# Altium PCB InsaneKeyboard.PcbDoc (part 2 of 4) (continued)
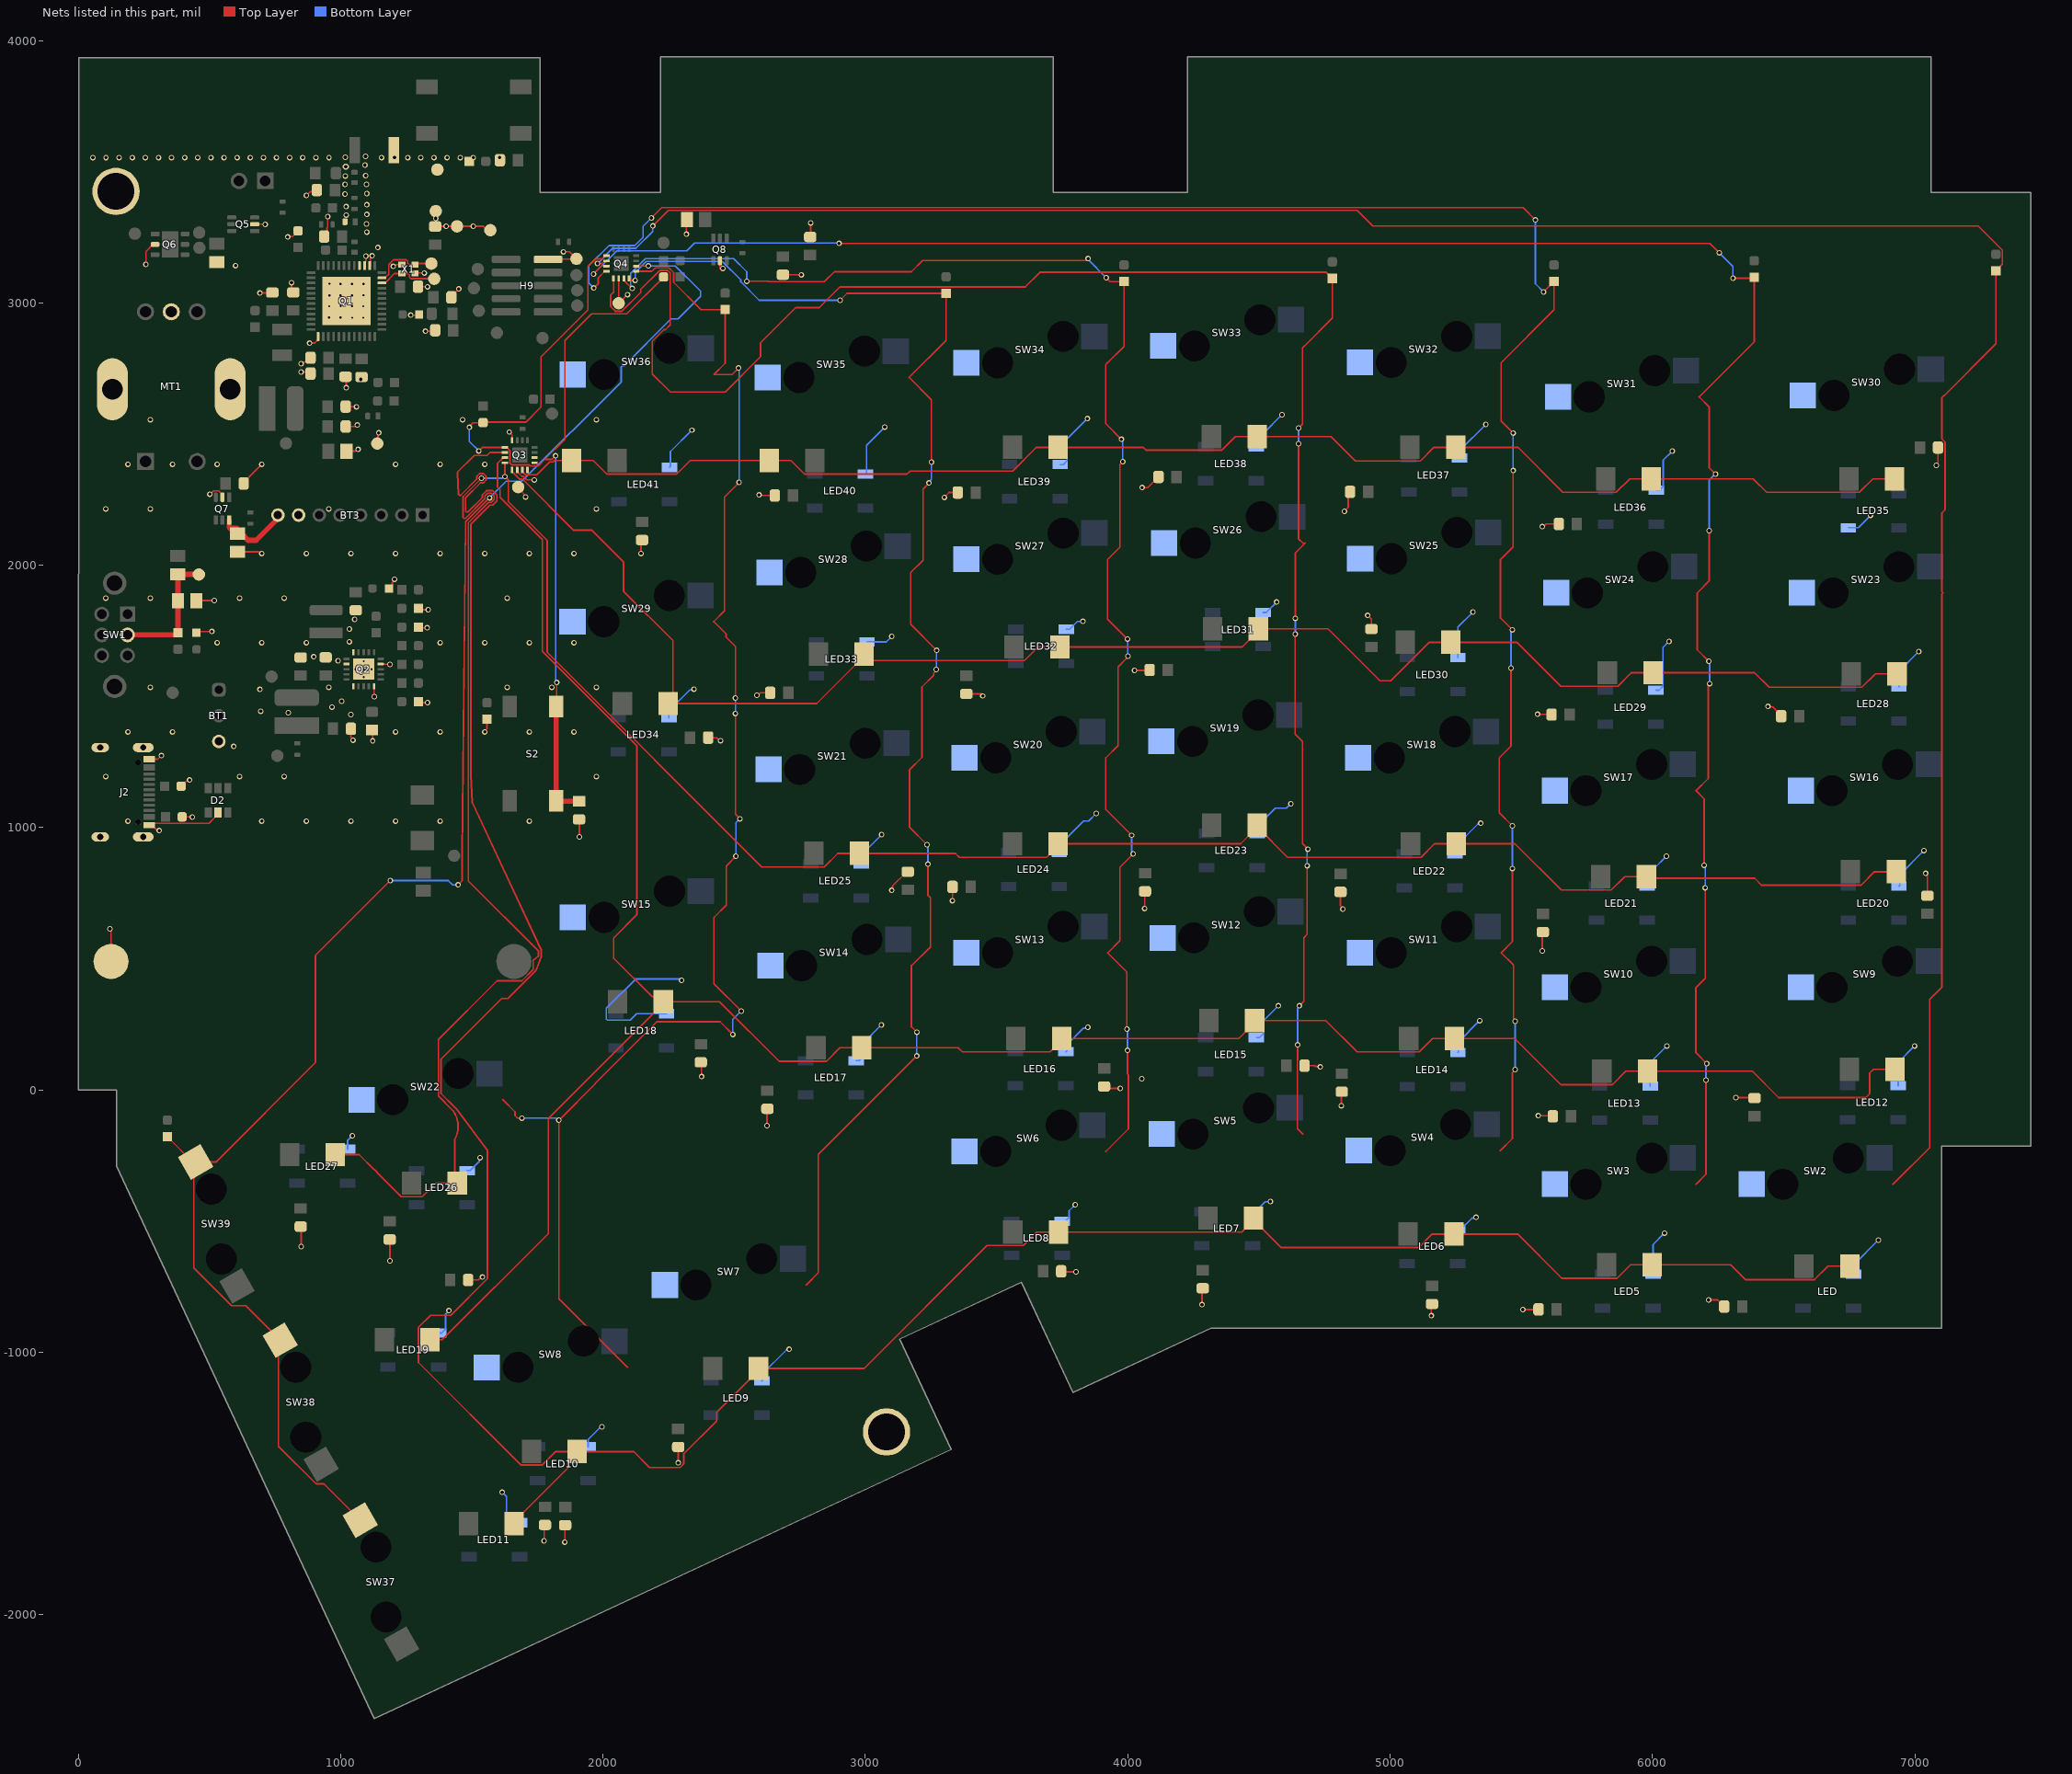
[diagram p4: the nets of this part, all layers, seen from the top]
## Part data (continued)
S1 S2: "Keypad Switch, 1 Switches, SPST, Momentary-tactile, 0.05A, 50VDC, 2.55N, Solder Terminal, Surface Mount-straight", Contact Current(DC)-Max=50mA, Contact DC Max Rating R Load=.05A@50VDC, Contact Voltage(DC)-Max=50V, Manufacturer=E-Switch, Manufacturer Part Number=TL3301NF260QG, Operating Force-Max=3.04N, Supplier Part Number=EG1868CT-ND, Body Breadth=6inch, Body Height=3.6mm, Body Length or Diameter=6mm, Category="Tactile Switches", Circuit Configuration=1X1, ComponentLink1Description=https://datasheet.ciiva.com:443/pdfs/VipMasterIC/IC/ESCH/ESCH-S-A0005350531/ESCH-S-A0005350531-1.pdf?src-supplier=IHS+Markit, ComponentLink1URL=https://datasheet.ciiva.com:443/pdfs/VipMasterIC/IC/ESCH/ESCH-S-A0005350531/ESCH-S-A0005350531-1.pdf?src-supplier=IHS+Markit, ComponentLink2Description=https://datasheet.ciiva.com/2901/p010517e-2901296.pdf?src-supplier=Digikey, ComponentLink2URL=https://datasheet.ciiva.com/2901/p010517e-2901296.pdf?src-supplier=Digikey, ComponentLink3Description=https://datasheet.ciiva.com/2901/tl3301-2901294.pdf?src-supplier=Digikey, ComponentLink3URL=https://datasheet.ciiva.com/2901/tl3301-2901294.pdf?src-supplier=Digikey, ComponentLink4Description=https://datasheet.ciiva.com/2901/tl3301-2901295.pdf?src-supplier=Digikey, ComponentLink4URL=https://datasheet.ciiva.com/2901/tl3301-2901295.pdf?src-supplier=Digikey, ComponentLink5Description=https://datasheet.ciiva.com/7637/tl3301-7637661.pdf?src-supplier=Element14, ComponentLink5URL=https://datasheet.ciiva.com/7637/tl3301-7637661.pdf?src-supplier=Element14, JESD-609 Code=e4, Mounting Technology="Surface Mount", Number of Switches=1, Packaging="Tape and Reel", Pricing="1=0.42, 10=0.404, 25=0.3804, 100=0.3303, 250=0.29968, 500=0.27876 (USD)", Reach SVHC Compliant=Yes, RoHS=Yes, RoHS Compliant=Yes, Stock=45667, Supplier=Digikey, Switch Action=MOMENTARY-TACTILE, Switch Function=SPST, Switch Type=Keypad, Terminal Finish=Silver, Termination=Solder
SW1: "Slide Switch, DPDT, Latched, Solder Terminal, Through Hole-right Angle", Manufacturer=E-Switch, Manufacturer Part Number=EG2208, Max Operating Temperature=70°C, Min Operating Temperature=-20°C, Supplier Part Number=EG1941-ND, Body Breadth=6inch, Body Height=5mm, Body Length or Diameter=10mm, Category="Slide Switches", ComponentLink1Description=https://datasheet.ciiva.com:443/pdfs/VipMasterIC/IC/ESCH/ESCH-S-A0005350660/ESCH-S-A0005350660-1.pdf?src-supplier=IHS+Markit, ComponentLink1URL=https://datasheet.ciiva.com:443/pdfs/VipMasterIC/IC/ESCH/ESCH-S-A0005350660/ESCH-S-A0005350660-1.pdf?src-supplier=IHS+Markit, ComponentLink2Description=https://datasheet.ciiva.com/2889/p040110c-2889382.pdf?src-supplier=Digikey, ComponentLink2URL=https://datasheet.ciiva.com/2889/p040110c-2889382.pdf?src-supplier=Digikey, ComponentLink3Description=https://datasheet.ciiva.com/16174/seriesegslides-16174287.pdf?src-supplier=Onlinecomponents.com, ComponentLink3URL=https://datasheet.ciiva.com/16174/seriesegslides-16174287.pdf?src-supplier=Onlinecomponents.com, ComponentLink4Description=https://datasheet.ciiva.com/16216/eg-16216332.pdf?src-supplier=Future+Electronics, ComponentLink4URL=https://datasheet.ciiva.com/16216/eg-16216332.pdf?src-supplier=Future+Electronics, JESD-609 Code=e4, Mounting Technology="Through Hole", Pricing="1=0.66, 10=0.639, 25=0.5968, 100=0.5183, 250=0.47168, 800=0.43728, 1600=0.4325 (USD)", Reach SVHC Compliant=Yes, RoHS=Yes, RoHS Compliant=Yes, Stock=171516, Supplier=Digikey, Switch Action=LATCHED, Switch Function=DPDT, Switch Type="Slide Switch", Terminal Finish=Silver, Termination=Solder
SW2 SW3 SW4 SW5 SW6 SW7 SW8 SW9 SW10 SW11 SW12 SW13 SW14 SW15 SW16 SW17 SW18 SW19 SW20 SW21 SW22 SW23 SW24 SW25 SW26 SW27 SW28 SW29 SW30 SW31 SW32 SW33 SW34 SW35 SW36 SW37 SW38 SW39: "Gateron G Pro 2.0, The 3-Pin switches are compatible with any 3-Pin/5-Pin MX mechanical keyboard"
TP15: "Test points"
X1: "Crystal 38.4000MHZ 10PF SMD", Manufacturer=Murata, Manufacturer Part Number=XRCGB38M400F1S3JR0, Supplier Part Number=490-XRCGB38M400F1S3JR0TR-ND, Category=LDO, ComponentLink1Description=https://datasheet.octopart.com/TZ2205E-TST---Tamsan-datasheet-98782093.pdf?src-supplier=Component+Distributors+Inc., ComponentLink1URL=https://datasheet.octopart.com/TZ2205E-TST---Tamsan-datasheet-98782093.pdf?src-supplier=Component+Distributors+Inc., ComponentLink2Description=http://www.txccorp.com/download/products/quartz_crystals/2015TXC_8Y_15.pdf?src-supplier=Digikey, ComponentLink2URL=http://www.txccorp.com/download/products/quartz_crystals/2015TXC_8Y_15.pdf?src-supplier=Digikey, Pricing="1=1.13, 10=1.004, 50=0.938, 100=0.829, 500=0.78538, 1000=0.65448 (USD)", RoHS=No, Stock=604, Supplier=Digikey
X2: library part "XTAL 32.768kHz", "Parallel - Fundamental Quartz Crystal, 0.032768MHz Nom", Frequency Tolerance=20ppm, Load Capacitance=12.5pF, Manufacturer=Abracon, Manufacturer Part Number=ABS07-32.768KHZ-T, Max Operating Temperature=85°C, Min Operating Temperature=-40°C, Operating Frequency-Nom=0.032768, Supplier Part Number=815-ABS07-32.768KHZT, Additional Feature="TAPE AND REEL", Aging="3 PPM/FIRST YEAR", Category=Crystals, ComponentLink1Description=https://datasheet.ciiva.com:443/pdfs/VipMasterIC/IC/ABRC/ABRC-S-A0006623177/ABRC-S-A0006623177-1.pdf?src-supplier=IHS+Markit, ComponentLink1URL=https://datasheet.ciiva.com:443/pdfs/VipMasterIC/IC/ABRC/ABRC-S-A0006623177/ABRC-S-A0006623177-1.pdf?src-supplier=IHS+Markit, ComponentLink2Description=https://datasheet.ciiva.com/854/abs07-854935.pdf?src-supplier=Digikey, ComponentLink2URL=https://datasheet.ciiva.com/854/abs07-854935.pdf?src-supplier=Digikey, ComponentLink3Description=https://datasheet.ciiva.com/854/abs07-854936.pdf?src-supplier=Digikey, ComponentLink3URL=https://datasheet.ciiva.com/854/abs07-854936.pdf?src-supplier=Digikey, ComponentLink4Description=https://datasheet.ciiva.com/854/abs07-854937.pdf?src-supplier=Digikey, ComponentLink4URL=https://datasheet.ciiva.com/854/abs07-854937.pdf?src-supplier=Digikey, ComponentLink5Description=https://datasheet.ciiva.com/15214/getdatasheetpartid-727011-15214954.pdf?src-supplier=Verical, ComponentLink5URL=https://datasheet.ciiva.com/15214/getdatasheetpartid-727011-15214954.pdf?src-supplier=Verical, ComponentLink6Description=https://datasheet.ciiva.com/7998/1912628-7998667.pdf?src-supplier=Element14, ComponentLink6URL=https://datasheet.ciiva.com/7998/1912628-7998667.pdf?src-supplier=Element14, Crystal/Resonator Type="PARALLEL - FUNDAMENTAL", Drive Level=0.5uW, ESR=70kR, Mounting Technology="Surface Mount", Pricing="1=0.64, 10=0.502, 50=0.502, 100=0.463, 500=0.438, 1000=0.419, 3000=0.308, 6000=0.281, 9000=0.269, 10000=0.269, 24000=0.258 (USD)", Reach SVHC Compliant=Yes, RoHS=Yes, RoHS Compliant=Yes, Stock=349794, Supplier=Mouser

## Via types
v1: diameter 21, hole 13, Top Layer to Bottom Layer, tented both sides, 278 vias
v2: diameter 21, hole 13, Top Layer to Bottom Layer, 172 vias
v3: diameter 23, hole 13, Top Layer to Bottom Layer, tented both sides, 1 vias

## Nets (pads, with @x,y where several pads share a name; then routed paths per layer and width w, separated by ;. In a path a pad name is that pad's centre, name@x,y a point inside that pad or via, vN(x,y) a via of type N, cw(c..) or ccw(c..) an arc to the next point about the centre after c; other vN are vias at no path point)
+3.3V: C22.1 C24.1 R8.1 SW1.2 TP20.1 | length 499.1
  Top Layer w20: SW1.2@188.21,1735 188.36,1734.85 371.86,1734.85 380.71,1743.7 380.35,1744.05 380.35,1864.65 C22.1@380.71,1865 380.35,1865.35 C24.1@380.35,1965.35 ; TP20.1@460,1965 459.65,1965.35 C24.1@380.35,1965.35 ; C24.1@380.35,1965.35 C24.1@380,1965.71 C24.1@380.35,1965.35
DISPLAY_LOAD_SW: BT3.8 C70.1 Q7.6 | length 299.6
  Top Layer w20: Q7.6@575.59,2172.69 575.59,2144 579.11,2140.48 604.3,2140.48 C70.1@608,2136.78 ; C70.1@608,2120.65 C70.1@608,2136.78 ; BT3.8@761.41,2191.35 755.38,2185.32 755.38,2172.21 678.3,2095.13 647.7,2095.13 635.55,2107.27 635.55,2109.23 C70.1@608,2136.78
GND: ATT1.GND BT1.3 BT2.N BT3.7 C1.2 C2.2 C3.2 C4.2 C5.2 C6.2 C7.2 C8.2 C9.2 C10.2 C11.2 C12.2 C13.2 C14.2 C15.2 C16.2 C17.2 C18.1 C19.2 C20.2 C21.2 C22.2 C25.2 C26.2 C27.2 C28.2 C29.2 C30.2 C31.2 C32.2 C33.2 C34.2 C35.2 C36.2 C37.2 C38.2 C39.2 C40.2 C41.2 C42.2 C43.2 C44.2 C45.2 C46.2 C47.2 C48.2 C49.2 C50.2 C51.2 C52.2 C53.2 C54.2 C55.2 C56.2 C57.2 C58.2 C59.2 C60.2 C61.2 C62.2 C63.2 C64.2 C65.2 C66.2 C67.2 C68.2 C69.2 C70.2 D2.2 H1.1 H2.1 H9.2 J2.A1_B12 J2.B1_A12 J2.S1 J2.S2 J2.S3 J2.S4 LED1.C LED2.C LED4.C LED5.3-GND LED6.3-GND LED7.3-GND LED8.3-GND LED9.3-GND LED10.3-GND LED11.3-GND LED12.3-GND LED13.3-GND LED14.3-GND LED15.3-GND LED16.3-GND LED17.3-GND LED18.3-GND LED19.3-GND LED20.3-GND LED21.3-GND LED22.3-GND LED23.3-GND LED24.3-GND LED25.3-GND LED26.3-GND LED27.3-GND LED28.3-GND LED29.3-GND LED30.3-GND LED31.3-GND LED32.3-GND LED33.3-GND LED34.3-GND LED35.3-GND LED36.3-GND LED37.3-GND LED38.3-GND LED39.3-GND LED40.3-GND LED41.3-GND LED.3-GND MT1.COM MT1.S1 MT1.S2 Q1.14 Q1.15 Q1.16 Q1.37 Q1.49 Q2.1 Q2.5 Q2.9 Q2.15 Q2.17 Q2.21 Q3.6 Q3.16 Q4.6 Q5.2 Q6.2 Q7.2 Q8.2 R3.2 R6.1 R7.1 R9.2 R10.2 R15.1 R17.1 R38.1 TP1.1 TP22.1 TP25.1 TP28.1 TP29.1 TP30.1 TP31.1 TP32.1 X1.2 X1.4 | length 12476.8
  Top Layer w6: v1(121,614) 121,609.94 125.28,605.66 BT2.N@125.28,490 ; v1(258,3147) 258,3195.96 285.04,3223 Q6.2@292.91,3223 ; J2.A1_B12@271,1261.14 303.28,1261.14 v1@317,1274.86 ; v1(309.07,988.94) 306.19,991.81 299,991.81 290.44,1000.36 281.63,1009.17 288.9,1016.44 498.01,1016.44 522.21,1040.65 522.21,1046.61 D2.2@532.99,1057.39 ; R9.2@392.49,1158.16 394.52,1158.16 414.99,1178.63 420.63,1178.63 v1@424,1182 ; R10.2@396.49,1041.16 396.78,1040.87 434.87,1040.87 v1@435,1041 ; C22.2@450,1865 450.5,1865.5 517.5,1865.5 v1@518,1866 ; LED1.C@451,1742.5 456,1747.5 508.5,1747.5 v1@509,1748 ; v1@507,2271 507,2275.08 515.94,2284.02 535.13,2284.02 550,2269.15 Q7.2@550,2259.31 ; C70.2@608,2051.35 689.59,2051.35 695.94,2045 v2(700,2045) ; C69.2@630.45,2312 630.45,2315.69 699.76,2385 v2(700,2385) ; Q5.2@672.31,3300 672.56,3299.75 711.75,3299.75 v1@712,3300 ; v1(692.91,3037.77) 738.32,3037.77 C10.2@740,3039.45 ; v1@798,3252 799.01,3253.01 816.51,3253.01 R3.2@838,3274.5 ; v1(813.5,3077.5) 813.5,3046.5 C11.2@820,3040 ; C56.2@848,-520.45 850,-522.45 v1(850,-597) ; v1(849.5,2736.5) 880.05,2736.5 C8.2@885.55,2731 ; v1@849.95,2769.95 855.01,2769.95 859.66,2774.6 869.39,2774.6 885.55,2790.77 C13.2@885.55,2791 ; v1(870,3410) 883.77,3423.77 903.32,3423.77 C4.2@909.55,3430 ; v1@881.73,2847.14 901.59,2847.14 914.5,2860.05 Q1.37@914.5,2871.87 ; C5.2@937.31,3253 948,3263.68 948,3285.62 951,3288.62 v1(951,3329) ; Q1.49@955.76,2944.1 956.26,2944.6 956.26,2986.6 Q1.49@957.26,2987.6 ; Q1.49@957.76,3028.1 957.26,3027.6 Q1.49@957.26,2987.6 ; Q1.49@999.76,3028.1 1000.26,3027.6 1000.26,2988.6 Q1.49@1000.76,2988.1 Q1.49@1000.26,2987.6 ; C9.2@1019,2718.55 1021.5,2716.05 1021.5,2677.5 v1@1021,2677 ; C21.2@1019.45,2529 1053.91,2529 1059.91,2535 v1@1065,2535 ; C20.2@1019.45,2605 1020.35,2604.1 v1(1060.98,2604.1) ; C25.2@1022.65,2435 1055.94,2435 1062.94,2442 v1@1066,2442 ; C17.2@1039.35,1376.91 1039.35,1344.44 1047,1336.79 v1@1047,1334 ; Q1.49@1043.76,3028.1 Q1.49@1043.76,2987.1 ; Q1.49@1044.76,2943.1 Q1.49@1044.26,2943.6 ; v1(1076.5,2708.37) 1076.5,2714.05 C12.2@1080,2717.55 ; Q1.49@1087.76,3029.1 1087.26,3028.6 1087.26,2987.6 Q1.49@1086.76,2987.1 Q1.49@1043.76,2987.1 ; Q1.15@1091.66,3154.15 1096,3158.49 v1@1096,3179 ; Q1.14@1111.35,3142.34 1113.33,3144.32 1113.33,3168.27 1120,3174.94 v1@1120,3180 ; C18.1@1119.9,1372.46 1122.5,1369.86 1122.5,1331.5 v1@1122,1331 ; Q2.5@1127.37,1539.04 1127.37,1500.63 v1@1128,1500 ; TP30.1@1140,2464 1142.75,2466.75 1142.75,2502.75 v1@1145,2505 ; Q2.9@1152.96,1623.68 1153.8,1622.84 1187.16,1622.84 v1(1188,1622) ; LED4.C@1184.5,1912 1197.24,1924.75 1197.24,1934.19 1206,1942.94 v1(1206,1947) ; C51.2@1187,-569.45 1188,-570.45 v1(1188,-651) ; v1(1201,3139) 1204.44,3139 1211.44,3146 X1.2@1233.9,3146 ; v1(1267.5,2953.5) 1297,2953.5 LED2.C@1299.5,2956 ; X1.4@1284.1,3112 1286.1,3114 v1(1319,3114) ; C2.2@1295.45,3062 1295.95,3061.5 1330.5,3061.5 v1@1331,3062 ; R15.1@1296.39,1479.91 1299.81,1476.5 1330.5,1476.5 v1@1331,1477 ; R17.1@1296.39,1764.58 1299.47,1761.5 1329.5,1761.5 v1@1330,1762 ; R7.1@1296.39,1835.74 1301.64,1830.5 1333.5,1830.5 v1@1334,1831 ; v1(1323.55,2891.94) 1356.49,2891.94 C6.2@1360.55,2896 ; C7.2@1361,3291.45 C7.2@1361.55,3292 ; TP1.1@1363,3350 1363,3293.45 C7.2@1361.55,3292 ; C3.2@1422.45,3021 1422.45,3025.06 1450,3052.62 v1@1450,3053.74 ; C55.2@1486.45,-724 1525.94,-724 1536.94,-713 v1(1541,-713) ; v2(1550,1365) 1550,1369.06 1558,1377.06 R38.1@1558,1413.01 ; TP25.1@1571,3277 1559.84,3277 1544.84,3292 TP31.1@1444,3292 v1(1402.78,3292) C7.2@1361.55,3292 ; v1(1643,2508) 1643,2507.78 1653.47,2497.31 Q3.16@1653.47,2476.5 ; Q3.6@1673.16,2363.5 1673.16,2356.81 1691.35,2338.62 1696.89,2338.62 1710.01,2325.5 1737.5,2325.5 v1@1738,2326 ; TP32.1@1677,2298 1677,2293.06 1705.03,2265.03 v1@1705.03,2260.97 ; v1(1776,-1718) 1776,-1660.45 C61.2@1779,-1657.45 ; H9.2@1791,3166 1792,3167 1896,3167 1898,3169 1872.5,3194.5 v1(1849.5,3194.5) ; v1(1855,-1723) 1855,-1659.45 C68.2@1856,-1658.45 ; C27.2@1909,1031.55 1910,1030.55 v1(1910,965) ; Q4.6@2060.16,3093.5 2060.08,3093.42 2060.08,3051.41 2060,3051.33 TP29.1@2060,2999 2060.5,2999 v1@2093,3031.5 ; v1(2145,2045) 2145,2092.1 C38.2@2149,2096.1 ; v1(2287,-1421) C57.2@2287,-1360.45 ; v2(2318,3262) 2318,3314.65 C30.2@2320.35,3317 ; C54.2@2373,106 2376,103 v1(2376,51) ; C41.2@2401,1343 2432.94,1343 2443.94,1332 v1(2448,1332) ; Q8.2@2446,3160.69 2446,3131.06 2456.56,3131.06 v1(2457,3131.5) ; v1(2587,1505) 2591.06,1505 2600.06,1514 C42.2@2637.55,1514 ; v1(2595,2268) 2597,2266 C37.2@2655.55,2266 ; v1(2625,-136) 2625,-73.45 C53.2@2627,-71.45 ; C29.2@2686,3107.55 2686.55,3107 v2(2756,3107) ; C26.2@2790,3251.45 2792,3253.45 v1(2792,3305) ; v1(3101,761) 3103.87,763.87 3103.87,777.7 3158.06,831.9 C40.2@3162,831.9 ; v1(3301,2259) 3319.48,2277.48 C36.2@3352.38,2277.48 ; v1(3332,722) 3332,773.45 C39.2@3332.55,774 ; C43.2@3385,1510.1 3444.49,1510.1 3444.49,1509.57 3448,1506.06 v1(3448,1502) ; C67.2@3746.45,-691 3748.45,-693 v1(3803,-693) ; C52.2@3910,13.55 3917.2,6.35 3971.65,6.35 v1(3972,6) ; v1(4026,1599) 4081.55,1599 C44.2@4083.55,1601 ; v1(4055,2296) 4076.53,2296 4100.92,2320.39 4101.15,2320.39 4117.31,2336.55 C35.2@4117.31,2336.78 ; v1(4065,692) 4065,756.1 C50.2@4066,757.1 ; v1(4283,-818) 4283,-758.45 C66.2@4286,-755.45 ; C58.2@4674,93 4712,93 4715,90 4732.5,90 v1(4734.5,88) ; C49.2@4811,755.1 4811,703.06 4820,694.06 v1(4820,690) ; v1(4814,-60) 4814,-8.45 C65.2@4816,-6.45 ; v1(4826,2206) 4840.71,2220.71 4840.71,2273.16 C34.2@4847.55,2280 ; v1(4915,1809) 4929,1795 C45.2@4929,1757.45 ; v1(5157,-860) 5157,-818.45 C64.2@5160,-815.45 ; v1(5506,-837) 5564.55,-837 C63.2@5565.55,-836 ; v1(5562,1432) 5614.55,1432 C46.2@5615.55,1431 ; v1(5565,-98) 5618.55,-98 C62.2@5620.55,-100 ; v1(5580,530) 5580,599.82 C48.2@5582.51,602.33 ; v1(5580,2147) 5584.06,2147 5594.56,2157.5 C33.2@5642.87,2157.5 ; v1(6214,-800) 6248.55,-800 6257.15,-808.6 6257.39,-808.6 6273.55,-824.77 C59.2@6273.55,-825 ; v1(6318,-29) 6387.45,-29 C60.2@6389,-30.55 ; v1(6440,1462) 6442.01,1459.99 6459.5,1459.99 6490.55,1428.94 C31.2@6490.55,1425 ; v1(7041,826) 7041,821.94 7048,814.94 C47.2@7048,740.9 ; v1(7082,2381) 7082,2385.06 7088.45,2391.51 C32.2@7088.45,2449 ; Q1.49@957.26,2987.6 Q1.49@1000.26,2987.6 ; Q1.49@1000.26,2987.6 1000.26,2944.6 Q1.49@999.76,2944.1 1000.26,2943.6 Q1.49@1044.26,2943.6 ; Q1.49@1043.76,2987.1 1044.26,2986.6 Q1.49@1044.26,2943.6
  Bottom Layer w6: LED27.3-GND@1026.66,-225.28 1026.66,-192.34 v1(1045,-174) ; LED19.3-GND@1373.46,-926.04 1385.27,-926.04 1399.98,-911.32 1399.98,-855.56 1413,-842.55 v1(1413,-841) ; LED26.3-GND@1482.46,-307.04 1494.27,-307.04 1529.13,-272.18 1529.13,-260.87 v1(1532,-258) ; v1(1616,-1533) 1632.43,-1549.43 1632.43,-1610.82 1670.65,-1649.04 LED11.3-GND@1682.46,-1649.04 ; LED10.3-GND@1943.46,-1359.04 1943.46,-1332.32 1988.91,-1286.87 1993.13,-1286.87 v1(1996,-1284) ; LED18.3-GND@2242.46,290.96 2128.88,290.96 2104.16,266.24 2017.12,266.24 2013.02,270.34 2013.02,311.58 2124.44,423 v1@2305,423 ; LED34.3-GND@2251.46,1418.96 2251.46,1445.68 2330.87,1525.09 2344.17,1525.09 v1(2347.04,1527.96) ; LED41.3-GND@2253.46,2372.96 2257.46,2376.96 2257.46,2433.46 v1(2339,2515) ; LED9.3-GND@2605.46,-1109.04 2607.46,-1107.04 2607.46,-1082.32 2698.91,-990.87 2707.13,-990.87 v1(2710,-988) ; LED17.3-GND@2965.46,111.96 2977.27,111.96 2991.98,126.68 2991.98,178.98 v1(3061,248) ; LED25.3-GND@2984.46,861.96 2980.46,865.96 2980.46,891.46 v1(3062.48,973.48) ; LED40.3-GND@3000.46,2347.96 3004.46,2351.96 3004.46,2457.15 v1(3074.31,2527) ; LED33.3-GND@3006.46,1707.96 3079.96,1707.96 v1(3101,1729) ; LED24.3-GND@3739,905.92 3739,932.64 3831.59,1025.23 3851.23,1025.23 v1(3880,1054) ; LED39.3-GND@3742.46,2383.96 3754.27,2383.96 3768.98,2398.68 3768.98,2481.98 v1(3846,2559) ; LED8.3-GND@3750.46,-500.04 3762.27,-500.04 3776.98,-485.32 3776.98,-460.02 v1(3800,-437) ; LED16.3-GND@3764.46,145.96 3768.46,149.96 3768.46,172.68 3831.91,236.13 3845.13,236.13 v1(3848,239) ; LED32.3-GND@3766.46,1755.96 3778.27,1755.96 3808.31,1786 v1(3829,1786) ; LED7.3-GND@4475.46,-463.04 4487.27,-463.04 4524.5,-425.81 4543.19,-425.81 v1(4544,-425) ; LED15.3-GND@4490.46,199.96 4502.27,199.96 4516.98,214.68 4516.98,263.98 v1(4574,321) ; LED38.3-GND@4490.46,2451.96 4502.27,2451.96 4516.98,2466.68 4516.98,2502.98 v1(4588,2574) ; LED23.3-GND@4493.46,977.96 4493.46,1004.68 4562.74,1073.96 4604.96,1073.96 v1(4622,1091) ; LED31.3-GND@4516.46,1819.96 4528.27,1819.96 v1(4568,1859.69) ; LED22.3-GND@5247.46,899.96 5247.46,926.68 5334.91,1014.13 5343.13,1014.13 v1(5346,1017) ; LED6.3-GND@5257.46,-531.04 5269.27,-531.04 5312.44,-487.87 5325.13,-487.87 v1(5328,-485) ; LED14.3-GND@5258.46,142.96 5259.94,144.44 5259.94,182.9 v1(5341.52,264.48) ; LED30.3-GND@5258.46,1647.96 5258.46,1764.3 v1(5316,1821.85) ; LED37.3-GND@5264.46,2408.96 5267.46,2411.96 5267.46,2439.46 v1(5365,2537) ; LED21.3-GND@5979.46,776.96 5991.27,776.96 6005.98,791.68 6005.98,843.94 v1(6053.02,890.98) ; LED13.3-GND@5991.46,14.96 5991.46,104.46 v1(6055,168) ; LED5.3-GND@6002.46,-702.04 6002.46,-588.54 v1(6046,-545) ; LED29.3-GND@6013.46,1523.96 6025.27,1523.96 6039.98,1538.68 6039.98,1686.98 v1(6063,1710) ; LED36.3-GND@6014.46,2285.96 6026.27,2285.96 6040.98,2300.68 6040.98,2400.68 v1(6075.31,2435) ; LED35.3-GND@6746.54,2143.04 6785.07,2143.04 6831,2188.97 v1@6831,2194.39 ; LED.3-GND@6766.46,-702.04 6765.46,-701.04 6765.46,-667.54 v1(6861,-572) ; LED12.3-GND@6936.46,16.96 6936.46,105.46 v1(6999,168) ; LED20.3-GND@6939.46,776.96 6942.46,779.96 6942.46,820.46 v1(7035,913) ; LED28.3-GND@6939.46,1536.96 6940.46,1537.96 6940.46,1596.46 v1(7015,1671)
  other v1: 4054,43 2299.98,417.98 435.42,1040.58 424.5,1181.5 317.5,1274.5 593.08,1309.31 1122.5,1330.5 1047.5,1333.5 1039,1431 801,1438 695.89,1443.94 967.25,1459.6 1331.5,1476.5 1004,1482 1128.42,1499.58 693,1527 991,1636 898,1651 1033.53,1708.52 509.5,1747.5 1033.53,1757.06 1330.5,1761.5 1054,1794 1334.5,1830.5 518.5,1865.5 6831,2190.7 1705.53,2260.47 502,2271 1738.5,2325.5 1066.5,2441.5 1145.5,2504.5 1063.47,2534.5 1021.5,2676.5 849.47,2768.47 882.09,2846.5 2093.5,3031.5 1450.5,3053.24 1331.5,3061.5 1096.5,3178.5 1120.5,3179.5 1142,3211 798.5,3251.5 1100,3270 1506,3292 712.5,3299.5 1099,3301 1363,3321.72 1022,3335 1100,3337 1021,3367 1100,3374 1017,3415 1100,3417 1017,3452 1099,3452 1018,3484 1096,3485 1093,3525 56,3554 106,3554 156,3554 206,3554 256,3554 306,3554 356,3554 406,3554 456,3554 506,3554 556,3554 606,3554 656,3554 706,3554 756,3554 806,3554 856,3554 906,3554 956,3554 1156,3554 1206,3554 1256,3554 1306,3554 1356,3554 1406,3554 1456,3554 1506,3554 1606,3554 1018,3555 1095,3559
  other v2: 190,1025 700,1025 870,1025 1040,1025 1210,1025 1380,1025 1720,1025 105,1195 615,1195 785,1195 1975,1195 190,1365 360,1365 1210,1365 1380,1365 1720,1365 1890,1365 275,1535 955,1535 1635,1535 1805,1535 1975,1535 530,1705 700,1705 870,1705 1380,1705 1550,1705 1720,1705 1890,1705 105,1875 275,1875 615,1875 785,1875 1635,1875 870,2045 1040,2045 1210,2045 1380,2045 1550,2045 1720,2045 1890,2045 105,2215 275,2215 955,2215 1975,2215 190,2385 360,2385 530,2385 1210,2385 1380,2385 1550,2385 275,2555 1465,2555 1975,2555 600,3142
  other v3: 1020,3519
HFXTAL_N: Q1.10 TP2.1 X1.3 | length 226.4
  Top Layer w6: Q1.10@1158,3076 1169.81,3076 1205.81,3112 1256.4,3112 1262.49,3105.91 1262.49,3098.71 1268.58,3092.62 1356.38,3092.62 TP2.1@1357,3092
HFXTAL_P: Q1.11 TP3.1 X1.1 | length 239.8
  Top Layer w6: Q1.11@1169.81,3095.69 1171.93,3097.8 1183.5,3109.37 1183.5,3146.25 1201.75,3164.5 1250.3,3164.5 1255.95,3158.85 1255.95,3151.65 1261.6,3146 X1.1@1284.1,3146 1288.1,3150 TP3.1@1346,3150
I2C_EXPANDER_RESET: C27.1 Q3.1 Q4.1 R34.2 R35.2 S2.3 S2.4 | length 3847.5
  Top Layer w6: v2(1491,2526) 1491,2530.06 1502.51,2541.57 1502.51,2543.5 R35.2@1543,2543.5 1544.83,2545.34 1705.61,2545.34 1763.78,2603.5 1763.78,2794.33 1942.62,2973.17 1942.62,3138.12 1971.97,3167.47 1994.75,3167.47 2006.81,3179.53 Q4.1@2013.5,3179.53 ; v2(1527,2436) 1527.52,2436 1541.05,2449.53 Q3.1@1626.5,2449.53 1633.2,2449.53 1645.31,2437.41 1645.31,2390.7 1653.7,2382.31 1719.8,2382.31 1723.76,2378.35 1753.46,2378.35 1779.05,2403.95 ; v2(1820,2417) 1818.53,2417 1805.47,2403.95 1779.05,2403.95 ; S2.3@1821.58,1461.13 1824,1463.55 v2(1824,1553) ; R34.2@2231.5,3099 2090.88,2958.38 1957.13,2958.38 1855.29,2856.54 1855.29,2480.19 1779.05,2403.95
  Top Layer w20: S2.3@1821.58,1461.13 S2.4@1821.58,1102.87 1824,1100.45 C27.1@1909,1100.45
  Bottom Layer w6: v2(1491,2526) 1491,2472 v2(1527,2436) ; v2(1820,2417) 1820,1558 1824,1554 v2(1824,1553)
IO_COL_P0: Q4.2 R16.1 SW2.2 SW9.2 SW16.2 SW23.2 SW30.2 | length 9299.4
  Top Layer w6: v1(1979.22,3149.97) 1979.41,3150.16 1997.13,3150.16 2006.81,3159.84 Q4.2@2013.5,3159.84 ; v1(2190,3293.31) 2249.63,3352.94 4875.26,3352.94 4934.88,3293.31 7241.33,3293.31 7333.72,3200.92 7333.72,3147.22 R16.1@7309,3122.5 7309,2844.08 7111.92,2647 ; 6915.86,-358.96 6916.85,-358.96 7056.17,-219.64 7056.17,344.83 7102.38,391.04 7103.36,391.04 7103.36,1141.05 7103.36,1890.43 7107.94,1895 7103.36,1899.57 7103.36,2199.6 7115.13,2211.37 7115.13,2469.76 7103.36,2481.53 7103.36,2639.43 7110.94,2647
  Bottom Layer w6: v1(1979.22,3149.97) 2037.75,3208.5 2126.08,3208.5 2190,3272.42 v1(2190,3293.31)
IO_COL_P1: Q4.3 R19.1 SW3.2 SW10.2 SW17.2 SW24.2 SW31.2 | length 8321.9
  Top Layer w6: v1(1964,3110) 1994.16,3140.16 Q4.3@2013.5,3140.16 ; v1(2899.73,3226.62) 2900.11,3227 6218.52,3227 v1(6254.52,3191) ; 6165.86,-358.96 6204,-320.82 v1(6204,38) ; v1(6197,857) 6197,1109.91 6165.86,1141.05 6166.84,1141.05 6213.05,1187.26 6213.05,1540 6218,1544.94 v1(6218,1549) ; v1(6201,771) 6201,426.18 6165.86,391.04 6165.86,142.14 v1(6207,101) ; v1(6215,1634) 6170.94,1678.06 6170.94,1895 6216,1940.06 v1(6216,2132) ; v1(6240.06,2347.94) 6216,2372 6216,2603.94 6177.94,2642 6178.92,2642 6388,2851.08 R19.1@6388,3097.5 6384.5,3094 v1(6307,3094)
  Bottom Layer w6: v1(1964,3110) 2052.5,3198.5 2319,3198.5 2349,3228.5 2897.85,3228.5 v1(2899.73,3226.62) ; v1(6197,857) 6199.87,854.13 6199.87,847.12 6201,845.99 v1(6201,771) ; v1(6204,38) 6204,93.94 6207,96.94 v1(6207,101) ; v1(6215,1634) 6217.87,1631.13 6217.87,1623.12 6218,1622.99 v1(6218,1549) ; v1(6216,2132) 6216,2323.88 v1(6240.06,2347.94) ; v1(6254.52,3191) 6307,3138.52 v1(6307,3094)
IO_COL_P2: Q4.4 R20.1 SW4.2 SW11.2 SW18.2 SW25.2 SW32.2 | length 7828.1
  Top Layer w6: v1(1965,3057) 1982.5,3074.5 1982.5,3096.16 2006.81,3120.47 Q4.4@2013.5,3120.47 ; v1(2185,3324) 2223.94,3362.94 5507.06,3362.94 v1(5554,3316) ; 5418.94,-231 5419.92,-231 5466.13,-184.79 5466.13,66.99 5477,77.85 v1(5477,78) ; v1(5461,1608) 5461,1311.2 5415.85,1266.05 5415.85,1057.15 v1(5466,1007) ; v1(5466,844.5) 5466,565.95 5422.93,522.88 5423.91,522.88 5470.12,476.66 5470.12,272.93 5477,266.06 v1(5477,262) ; v1(5466,1754) 5420.94,1799.06 5420.94,2022 5469,2070.06 v1(5469,2361) ; v1(5469,2504) 5422.93,2550.07 5422.93,2772.89 5423.91,2772.89 5625,2973.98 R20.1@5625,3081.5 5585.5,3042 v1(5585,3042)
  Bottom Layer w6: v1(1965,3057) 1946.5,3075.5 1946.5,3142 2023,3218.5 2121.94,3218.5 2153.47,3250.03 2153.47,3292.47 v1(2185,3324) ; v1(5461,1608) 5461,1744.94 5466,1749.94 v1(5466,1754) ; v1(5466,844.5) v1(5466,1007) ; v1(5469,2361) v1(5469,2504) ; v1(5477,78) v1(5477,262) ; v1(5554,3316) 5554,3073 v1(5585,3042)
IO_COL_P3: Q4.5 R21.1 SW5.2 SW12.2 SW19.2 SW26.2 SW33.2 | length 7076.8
  Top Layer w6: Q4.5@2040.47,3093.5 2040.47,3041.05 2029.38,3029.96 2029.38,2986.32 2047.32,2968.38 2072.68,2968.38 2144.38,3040.07 2144.38,3052.02 2216.08,3123.72 2246.93,3123.72 2256.22,3114.43 2256.22,2916.17 2237.95,2897.9 2231.48,2897.9 2187.94,2854.36 2187.94,2729.42 2255.36,2662 2257.34,2660.95 2259.4,2660.95 2466.19,2660.95 2600.59,2795.35 2600.59,2847.9 2735,2982.3 2824.85,2982.3 2903.77,3061.22 3610.27,3061.22 3665.75,3116.71 4756.8,3116.71 R21.1@4780,3093.5 4780,2942.08 4673.92,2836 4672.94,2836 4665.85,2828.91 4665.85,2537.85 v1(4651,2523) ; v1(4638.64,1737.5) 4638.64,1356.16 4665.85,1328.95 4665.85,939.15 v1(4687,918) ; v1(4639,1798) 4639,2047.06 4672.44,2080.5 4676.94,2085 ; v1(4648,172) 4648,114.44 4647.31,113.76 4647.31,-147.38 4667.94,-168 ; v1(4651,2463) 4651,2101.94 4671.94,2081 ; v1(4654,321) 4670.94,337.94 4670.94,580 4684,593.06 v1(4684,855)
  Bottom Layer w6: v1(4638.64,1737.5) 4638.82,1737.68 4638.82,1797.82 v1(4639,1798) ; v1(4648,172) 4648,310.94 4654,316.94 v1(4654,321) ; v1(4651,2463) v1(4651,2523) ; v1(4684,855) 4684,910.94 4687,913.94 v1(4687,918)
IO_COL_P4: Q4.7 R22.1 SW6.2 SW13.2 SW20.2 SW27.2 SW34.2 | length 5759.1
  Top Layer w6: Q4.7@2079.84,3093.5 2079.84,3086.81 2111.65,3055 v1(2112,3055) ; v1(2548,3082.5) 2630.03,3082.5 2631.66,3080.87 2843.9,3080.87 2882.03,3119 3175.5,3119 3218,3161.5 v1@3845.5,3161.5 ; 3916.83,-233.96 4003,-147.79 4003,57.75 3999,61.75 v1(3999,151) ; v1(3918,3096) 3932.5,3081.5 R22.1@3986,3081.5 3986,2834.08 3923.92,2772 3922.94,2772 3915.84,2764.9 3915.84,2540.16 v1(3976,2480) ; v1(3981,2395) 3981,2394.87 3970.11,2383.99 3970.11,2069.1 3923.9,2022.89 3922.92,2022.89 3922.92,1795.08 v1(3999,1719) ; v1(3997,232.16) 3997,449.78 3923.9,522.88 3970.11,569.09 3970.11,849.11 v1(4021,900) ; v1(4001,1653.35) 4001,1651 3963.04,1613.04 3963.04,1312.26 3916.83,1266.05 3915.84,1266.05 3915.84,1070.16 v1(4015,971)
  Bottom Layer w6: v1(2112,3055) 2112,3059.06 2105.53,3065.53 2105.53,3112.42 2161.61,3168.5 2498.5,3168.5 2548,3119 v1(2548,3082.5) ; v1(3849.02,3169) 3849.02,3164.98 v1(3918,3096) ; v1(3976,2480) 3976,2475.94 3981,2470.94 v1(3981,2395) ; v1(3997,232.16) 3999,230.16 v1(3999,151) ; v1(3999,1719) 4000,1718 4000,1654.35 v1(4001,1653.35) ; v1(4015,971) 4015,910.06 4021,904.06 v1(4021,900)
IO_COL_P5: Q4.8 R23.1 SW7.2 SW14.2 SW21.2 SW28.2 SW35.2 | length 5577.3
  Top Layer w6: Q4.8@2099.53,3093.5 2099.53,3088.09 2101.65,3085.97 v1(2123.03,3085.97) ; 2773.94,-743 2774.92,-743 2821.13,-696.79 2821.13,-244.87 v1(3196,130) ; v1(2904,3010) 2930.5,3036.5 R23.1@3308,3036.5 3308,2857.14 3166.82,2715.96 3252,2630.78 v1(3252,2393) ; v1(3196.45,220.55) 3175.94,241.06 3175.94,474 3176.92,474 3248,545.08 3248,732.75 3239,741.75 v1(3239,861) ; v1(3235,935) 3168.94,1001.06 3168.94,1222 3169.92,1222 3216.13,1268.21 3216.13,1536.13 3260.36,1580.36 3260.36,1588.84 3270,1598.48 v1(3270,1602.54) ; v1(3243.05,2313.95) 3220.11,2291.01 3220.11,2019.1 3173.9,1972.89 3172.91,1972.89 3172.91,1775.09 v1(3272,1676)
  Bottom Layer w6: v1(2123.03,3085.97) 2123.03,3115.78 2165.75,3158.5 2454.75,3158.5 2525.25,3088 2525.25,3080.5 2595.75,3010 v1(2904,3010) ; v1(3196,130) 3196,220.09 v1(3196.45,220.55) ; v1(3235,935) 3239,931 v1(3239,861) ; v1(3243.05,2313.95) 3243.05,2318.01 3252,2326.96 v1(3252,2393) ; v1(3270,1602.54) 3271,1603.54 3271,1675 v1(3272,1676)
IO_COL_P6: Q4.9 R24.1 SW8.2 SW15.2 SW22.2 SW29.2 SW36.2 | length 5668.8
  Top Layer w6: 1617.94,-37 1618.92,-37 1665.13,-83.21 1665.13,-97.19 1674.95,-107 v1(1691,-107) ; 2094.82,-1057.07 2093.83,-1057.07 1832,-795.24 v1(1832,-115) 1970.69,23.69 1970.69,25.34 2205.84,260.5 2446.5,260.5 v1(2495,212) ; Q4.9@2126.5,3120.47 2186.57,3120.47 2199.81,3133.72 2251.07,3133.72 2269.78,3115.01 2269.78,3078.38 2373.66,2974.5 R24.1@2466,2974.5 2466,2770.06 2422.94,2727 2492,2727 v1(2517,2752) ; v1(2505,1435) 2505,1051 v1(2522,1034) ; v1(2505,1494) 2505,1690.37 2469.13,1726.23 2469.13,1738.79 2422.92,1785 2421.94,1785 2463.03,1826.09 2463.03,2260.03 v1(2519,2316) ; v1(2507,891) 2470.13,854.13 2470.13,704.21 2423.92,658 2422.94,658 2422.94,405.06 v1(2527,301)
  Bottom Layer w6: v1(1691,-107) 1820.99,-107 1828.99,-115 v1(1832,-115) ; v1(2495,212) 2495,269 v1(2527,301) ; v1(2505,1435) v1(2505,1494) ; v1(2507,891) 2507,1019 v1(2522,1034) ; v1(2517,2752) 2519,2750 v1(2519,2316)
IO_COL_P7: Q4.10 R25.1 SW37.2 SW38.2 SW39.2 | length 6499.5
  Top Layer w6: R25.1@340,-177.99 436.5,-274.49 524.38,-274.49 904.27,105.4 904.27,513.27 v2(1189.44,798.44) ; SW39.2@444.87,-277.28 441.08,-281.07 441.08,-678.58 584.58,-822.08 638.25,-822.08 SW38.2@769.67,-953.49 763.08,-960.07 763.08,-1357.58 906.58,-1501.08 936.86,-1501.08 SW37.2@1075.13,-1639.35 ; v2(1448,782) 1463.62,797.62 1463.62,892.68 1477,2166 v1(1568,2257) ; Q4.10@2126.5,3140.16 2126.92,3140.58 2172.58,3140.58 v1(2173,3141)
  Bottom Layer w6: v2(1189.44,798.44) 1410.5,798.44 1426.94,782 v2(1448,782) ; v1(1568,2257) 1631.5,2320.5 1690.92,2320.5 2070.05,2699.64 2070.05,2756.8 2074.2,2760.94 2081.36,2760.94 2259.19,2938.77 2285.81,2938.77 2372,3024.96 2372,3045.04 2276.04,3141 v1(2173,3141)
IO_ROW_P0: D3.1 D4.1 D5.1 D6.1 D7.1 D8.1 D9.1 D38.1 Q3.2 | length 11264.3
  Top Layer w6: Q3.2@1626.5,2429.84 1569.23,2429.84 1557.89,2418.5 1509.42,2418.5 1445.96,2355.04 1445.96,2352.42 1449.59,2270.51 1453,2267.11 1457.97,2267.11 1519.5,2328.64 1519.5,2339.25 1529.75,2349.5 1544.25,2349.5 1554.5,2339.25 1554.5,2324.75 1544.25,2314.5 1533.64,2314.5 1477,2257.86 1477,2206.28 1480.51,2202.77 1485.49,2202.77 1540.5,2257.78 1540.5,2268.39 1556.61,2284.5 1579.39,2284.5 1595.5,2268.39 1595.5,2245.61 1579.39,2229.5 1568.78,2229.5 1497,2157.72 1497,1201.78 1501.72,1095.37 1502.23,1094.29 1764.65,533.05 1764.65,508.2 1744.65,455.24 1695.48,406.07 1695.07,406.07 1638,349 1614.25,349 1382.95,117.69 1382.95,-12.95 1432.95,-62.95 1443.74,-73.75 1560,-231.26 1560,-718.75 1420.25,-858.5 1343.1,-858.5 1297,-904.6 1297,-1038.4 1688.1,-1429.5 1767.9,-1429.5 1819.4,-1378 D9.1@1902,-1378 ; D38.1@1662,-1652 1662,-1644.5 1868,-1438.5 1868,-1412 D9.1@1902,-1378 ; D6.1@4480,-488 D6.1@4480,-495.5 ; D3.1@6752,-671 6669.4,-671 6617.9,-722.5 6353.7,-722.5 6297.2,-666 5916.4,-666 5864.9,-717.5 5655.2,-717.5 5486.7,-549 5160.4,-549 5108.9,-600.5 4585,-600.5 D6.1@4480,-495.5 ; D9.1@1902,-1378 2117.31,-1378 2177.81,-1438.5 2294.25,-1438.5 2307.76,-1424.99 2307.76,-1387.13 2433.38,-1261.51 2433.38,-1228.12 2593,-1068.5 D8.1@2593,-1061 2995.48,-1061 3463.98,-592.5 3601.9,-592.5 3653.4,-541 4434.5,-541 D6.1@4480,-495.5
IO_ROW_P1: D10.1 D11.1 D12.1 D13.1 D14.1 D15.1 D16.1 D39.1 Q3.3 | length 9294.1
  Top Layer w6: D39.1@1341,-952 1387,-952 1791.5,-547.5 1791.5,-109 2230,329.5 D16.1@2230,337 ; Q3.3@1626.5,2410.16 1619.81,2410.16 1598.5,2388.85 1598.5,2298.78 1607.69,2289.59 1607.69,2259.73 1769,2098.43 1769,1672.46 2129,1312.46 2129,667.34 2041,579.34 2041,502 2187.51,355.49 2211.51,355.49 D16.1@2230,337 ; D10.1@6925,79 6842.4,79 6827.77,64.37 6827.77,-13.99 6813.14,-28.62 6481.11,-28.62 6380.96,71.53 D11.1@5981.05,71.53 5898.45,71.53 5846.95,20.03 5651.25,20.03 5474.75,196.53 5162.45,196.53 5110.95,145.03 4874.25,145.03 4754.75,264.53 D13.1@4484.05,264.53 4484.05,257.03 4423.55,196.53 D14.1@3748.05,196.53 3748.05,189.03 3704.05,145.03 3370.01,145.03 3354.04,161 2903.4,161 2851.9,109.5 2671.7,109.5 2444.2,337 D16.1@2230,337
IO_ROW_P2: D17.1 D18.1 D19.1 D20.1 D21.1 D22.1 D23.1 D40.1 Q3.4 | length 10574.4
  Top Layer w6: D40.1@980,-246 1070.6,-246 1128.1,-303.5 1129.25,-303.5 1139.5,-313.75 1139.5,-314.9 1231.1,-406.5 1310.9,-406.5 1362.4,-355 D23.1@1445,-355 1435.5,-345.5 1435.5,-189.02 1435.5,-187.19 ; 1435.53,-187.16 1437.93,-183.32 1444.39,-166.37 1447.68,-152.63 ; 1437.92,-94.25 1437.03,-92.7 1428.55,-78.78 1372.95,-23.17 1372.95,192.69 1596.32,416.07 1691.34,416.07 1734.65,459.38 1734.65,494.62 1738.16,498.14 1742.93,500.62 1754.65,512.34 1754.65,528.91 1487,796.55 1487,2161.86 1564.64,2239.5 1575.25,2239.5 1585.5,2249.75 1585.5,2264.25 1575.25,2274.5 1560.75,2274.5 1550.5,2264.25 1550.5,2253.64 1475.49,2178.63 1470.51,2178.63 1467,2182.14 1467,2262 v1(1537,2332) ; 1437.94,-94.27 1443.37,-107.39 1447.68,-124.96 1447.68,-152.61 ; Q3.4@1626.5,2390.47 v1(1626.5,2338) 1639.28,2325.22 1639.28,2242.28 1787.5,2094.07 1787.5,1668.1 2605.1,850.5 2843.9,850.5 2895.4,902 D22.1@2978,902 3344.04,902 3359.01,887.03 3691.05,887.03 3735.05,931.03 D21.1@3735.05,938.53 4430.55,938.53 D20.1@4494.05,1002.03 ; D20.1@4494.05,1009.53 D20.1@4494.05,1002.03 ; D17.1@6929,832 6846.4,832 6794.9,780.5 6416.22,780.5 6389.72,807 5983.58,807 D18.1@5977.05,813.53 5894.45,813.53 5842.95,762.03 5652.75,762.03 5476.25,938.53 5169.45,938.53 5117.95,887.03 4609.05,887.03 D20.1@4494.05,1002.03
  Bottom Layer w6: v1(1537,2332) 1616.44,2332 1622.44,2338 v1(1626.5,2338)
IO_ROW_P3: D24.1 D25.1 D26.1 D27.1 D28.1 D29.1 D30.1 Q3.5 | length 6308.9
  Top Layer w6: Q3.5@1653.47,2363.5 1653.47,2356.81 1681.66,2328.62 1692.75,2328.62 1887.84,2133.53 1958.47,2133.53 2078.24,2013.76 2078.24,1901.76 2267,1713 2267,1492 D30.1@2248,1473 2814.5,1473 2995,1653.5 D29.1@2995,1661 3018.97,1637.03 3606.95,1637.03 3658.45,1688.53 4436.03,1688.53 4498,1750.5 D27.1@4498,1758 4763.49,1758 4961.49,1560 5002.92,1560 5149.45,1706.53 D26.1@5232.05,1706.53 5483.25,1706.53 5650.75,1539.03 5867.95,1539.03 5919.45,1590.53 6389.25,1590.53 6444.75,1535.03 6797.95,1535.03 6849.45,1586.53 D24.1@6932.05,1586.53
IO_ROW_P4: D31.1 D32.1 D33.1 D34.1 D35.1 D36.1 D37.1 Q3.7 | length 5591
  Top Layer w6: Q3.7@1692.84,2363.5 1692.84,2356.81 1704.96,2344.69 1748.33,2344.69 1797.58,2393.95 1809.62,2393.95 1814.67,2399 D37.1@1880,2399 1962.6,2399 2014.1,2347.5 2281.3,2347.5 2332.8,2399 D36.1@2634,2399 2716.6,2399 2768.1,2347.5 3159.26,2347.5 3170.77,2359.01 3561.93,2359.01 3652.45,2449.53 D35.1@3735.05,2449.53 4058.75,2449.53 4069.25,2439.03 4358.95,2439.03 4410.45,2490.53 4775.25,2490.53 4867.75,2398.03 5115.95,2398.03 5167.45,2449.53 5487.25,2449.53 5658.75,2278.03 5861.95,2278.03 5913.45,2329.53 6383.75,2329.53 6435.25,2278.03 6788.95,2278.03 6840.45,2329.53 D31.1@6923.05,2329.53
IO_ROW_P5: Q3.8
IO_ROW_P6: Q3.9
IO_ROW_P7: Q3.10